# KiCad board choctopus44.kicad_pcb
title: Choctopus44; date: 2021-07-05; rev: 1.0 Prototype
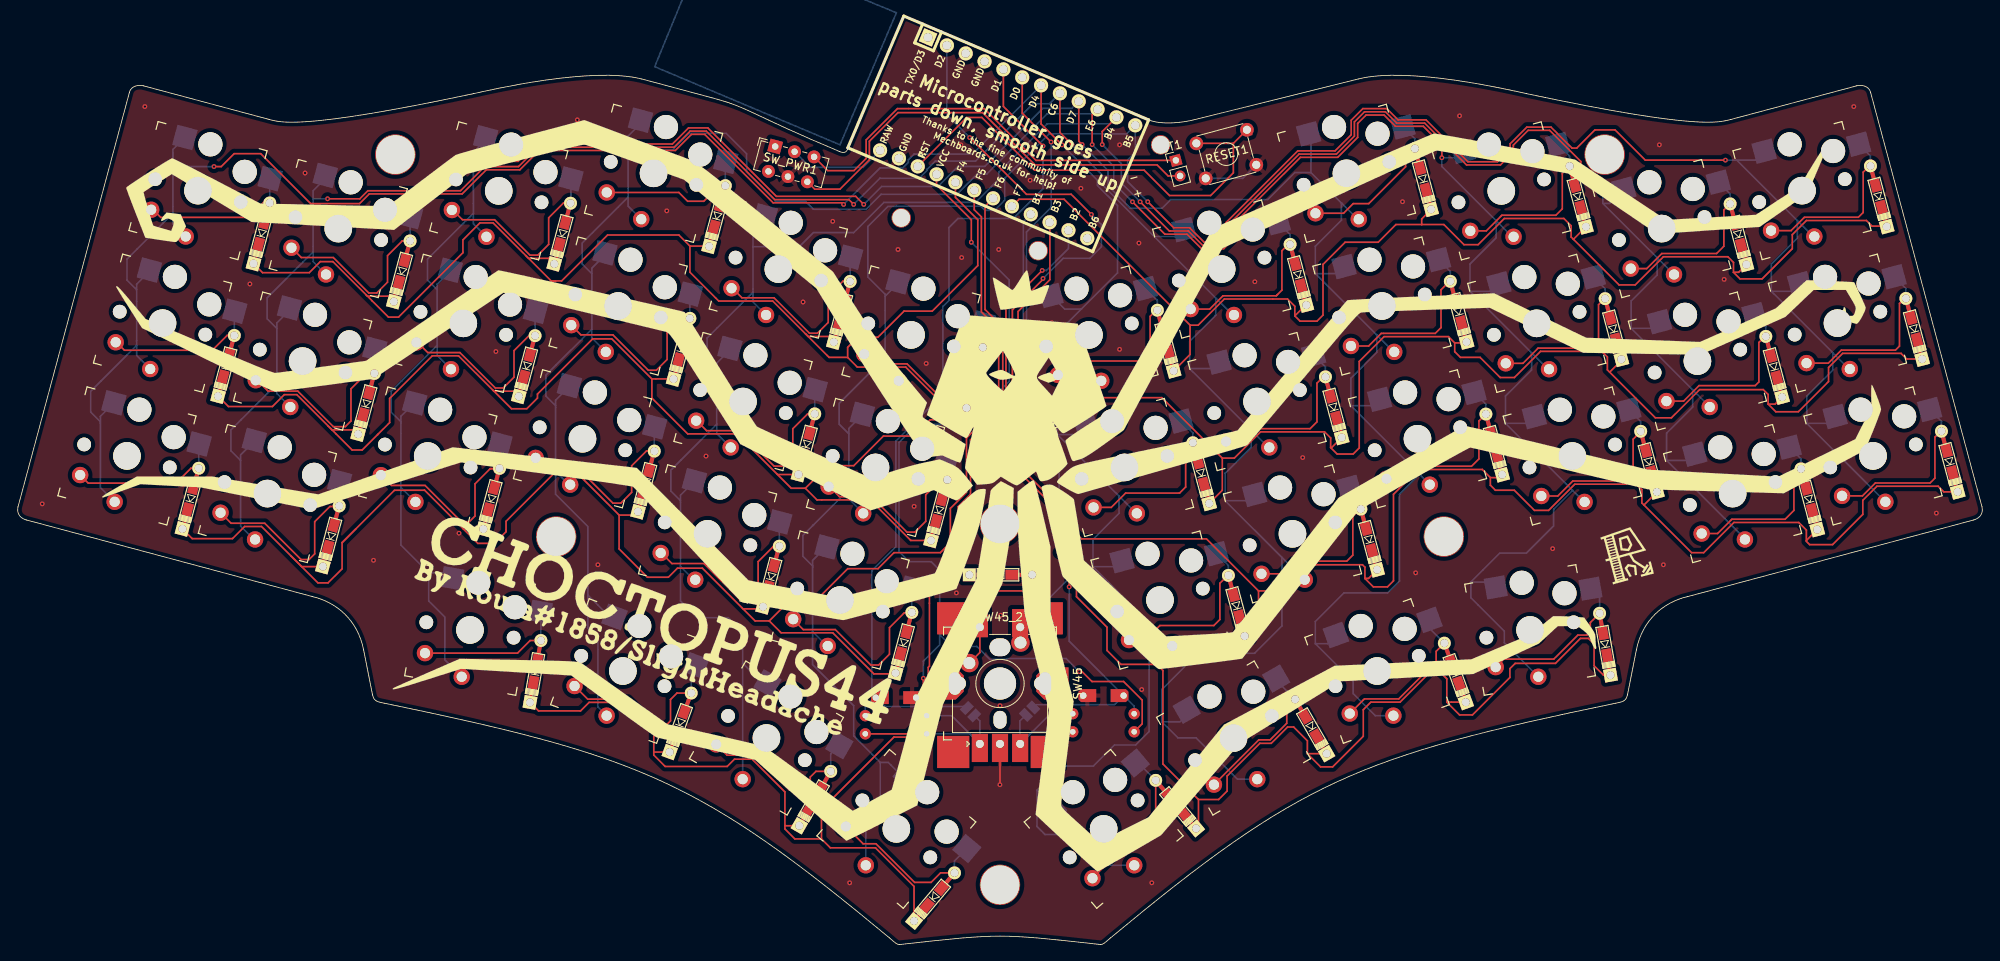
[diagram p0: board, top side]
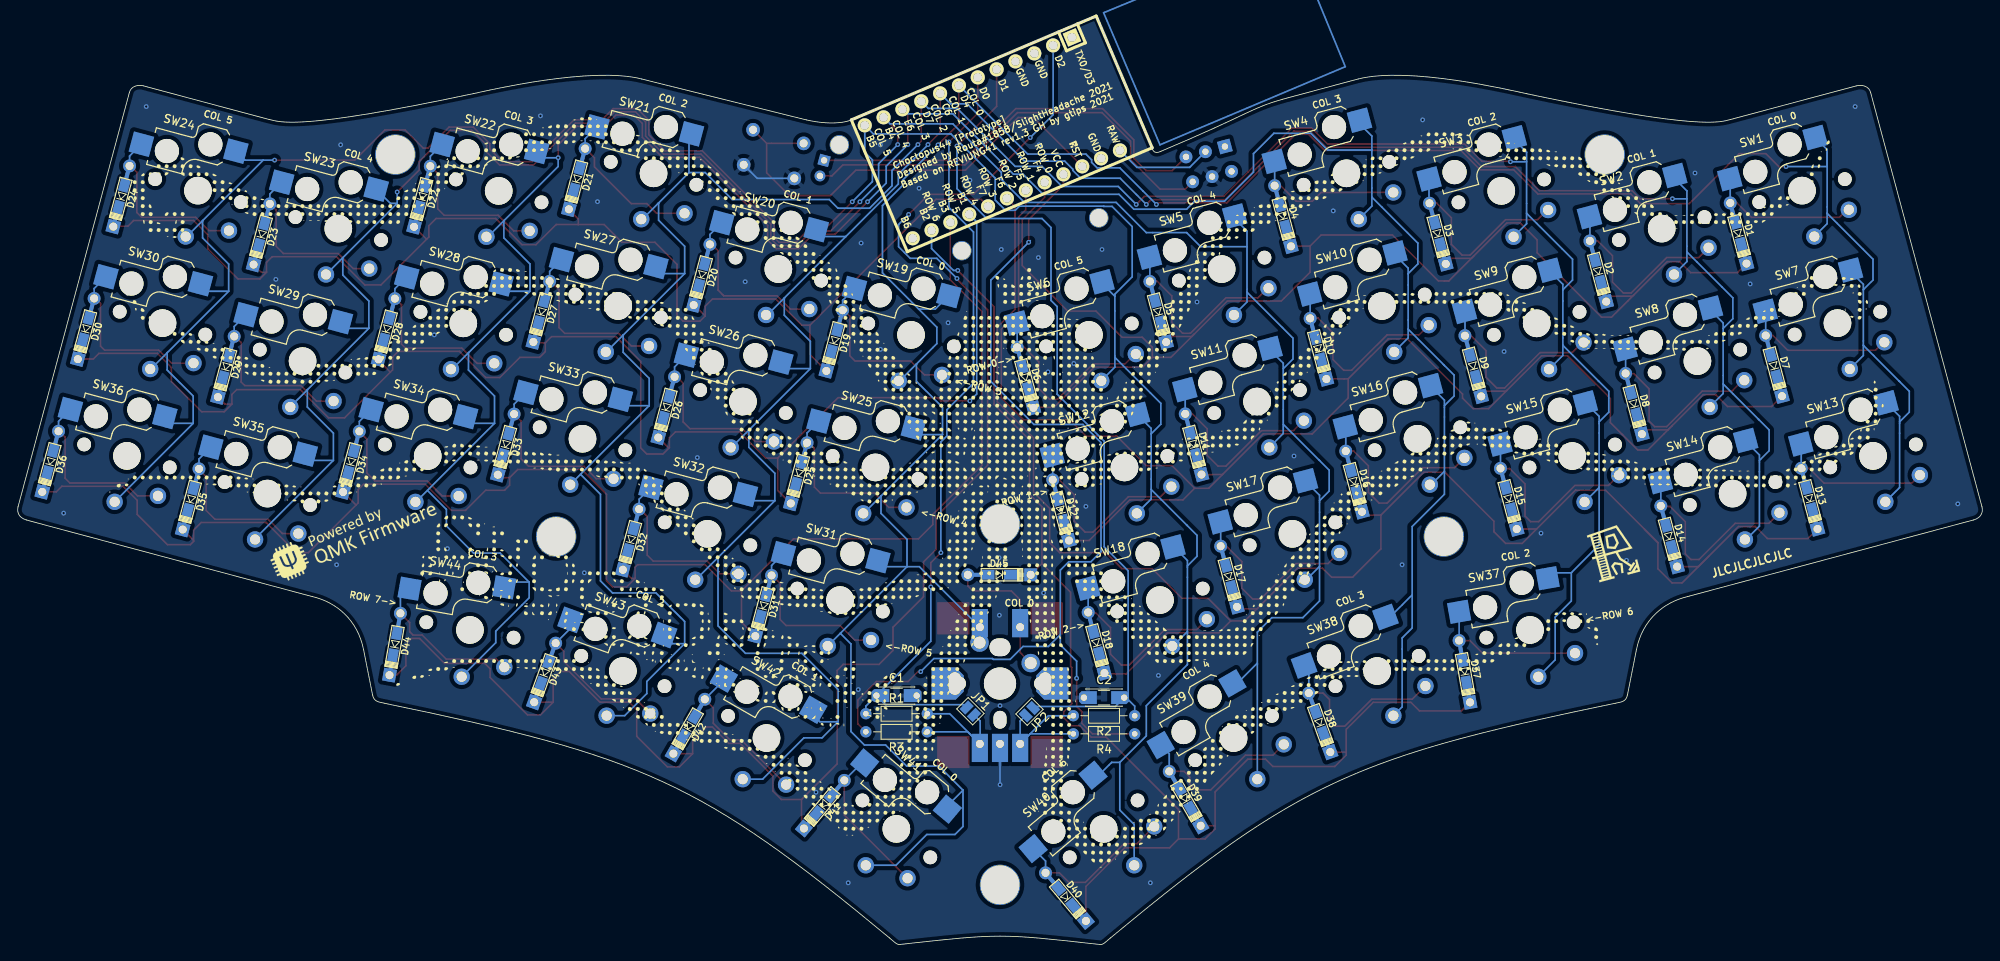
[diagram p1: board, bottom side, seen from below]

Outline 244.24 x 115.35 mm; copper layers: Top, Bottom. Coordinates in mm from the lower left corner of the outline.
Outline path: 1.28,52.77 36.8,43.25 ; 14.06,105.86 0.24,54.41 ; 31.41,102.51 15.79,106.69 ; 43.13,36.64 44.24,31.05 ; 77.66,107.54 87.03,105.02 ; 166.59,107.54 146.16,102.46 ; 201.11,36.64 200,31.05 ; 212.84,102.51 228.46,106.69 ; 230.18,105.86 244,54.41 ; 242.96,52.77 207.44,43.25

## Placement (name value [footprint] x y rotation side)
BT1  Battery_Cell  [PinHeader_1x02_P2.00mm_Vertical]  143.95 97.43 15 top
C1  C  [Dual-Hybrid-1206-C_Disc_D4.3mm_W1.9mm_P5.00mm]  137.46 30.96 180 bottom
C2  C  [Dual-Hybrid-1206-C_Disc_D4.3mm_W1.9mm_P5.00mm]  111.71 30.71 180 bottom
D1  1N4148W  [Diode-dual]  30.47 88.37 255 top
D2  1N4148W  [Diode-dual]  47.89 83.66 255 top
D3  1N4148W  [Diode-dual]  67.8 88.34 255 top
D4  1N4148W  [Diode-dual]  87.02 90.52 255 top
D5  1N4148W  [Diode-dual]  102.51 78.63 255 top
D6  1N4148W  [Diode-dual]  118.98 70.45 255 top
D7  1N4148W  [Diode-dual]  26.07 71.91 255 top
D8  1N4148W  [Diode-dual]  43.46 67.2 255 top
D9  1N4148W  [Diode-dual]  63.4 71.89 255 top
D10  1N4148W  [Diode-dual]  82.62 74.04 255 top
D11  1N4148W  [Diode-dual]  98.12 62.18 255 top
D12  1N4148W  [Diode-dual]  114.57 53.99 255 top
D13  1N4148W  [Diode-dual]  21.66 55.43 255 top
D14  1N4148W  [Diode-dual]  39.09 50.75 255 top
D15  1N4148W  [Diode-dual]  58.99 55.41 255 top
D16  1N4148W  [Diode-dual]  78.2 57.55 255 top
D17  1N4148W  [Diode-dual]  93.72 45.75 255 top
D18  1N4148W  [Diode-dual]  110.17 37.52 255 top
D19  1N4148W  [Diode-dual]  142.66 75.05 285 top
D20  1N4148W  [Diode-dual]  159.13 83.23 285 top
D21  1N4148W  [Diode-dual]  174.62 95.12 285 top
D22  1N4148W  [Diode-dual]  193.84 92.94 285 top
D23  1N4148W  [Diode-dual]  213.75 88.26 285 top
D24  1N4148W  [Diode-dual]  231.17 92.97 285 top
D25  1N4148W  [Diode-dual]  147.07 58.59 285 top
D26  1N4148W  [Diode-dual]  163.52 66.78 285 top
D27  1N4148W  [Diode-dual]  179.03 78.64 285 top
D28  1N4148W  [Diode-dual]  198.24 76.49 285 top
D29  1N4148W  [Diode-dual]  218.18 71.8 285 top
D30  1N4148W  [Diode-dual]  235.57 76.51 285 top
D31  1N4148W  [Diode-dual]  151.48 42.12 285 top
D32  1N4148W  [Diode-dual]  167.92 50.35 285 top
D33  1N4148W  [Diode-dual]  183.44 62.15 285 top
D34  1N4148W  [Diode-dual]  202.65 60.01 285 top
D35  1N4148W  [Diode-dual]  222.55 55.35 285 top
D36  1N4148W  [Diode-dual]  239.98 60.03 285 top
D37  1N4148W  [Diode-dual]  64.46 33.96 260 top
D38  1N4148W  [Diode-dual]  82.46 27.61 250 top
D39  1N4148W  [Diode-dual]  99.16 18.17 240 top
D40  1N4148W  [Diode-dual]  113.96 5.96 230 top
D41  1N4148W  [Diode-dual]  143.95 17.45 310 top
D42  1N4148W  [Diode-dual]  160.71 27.13 300 top
D43  1N4148W  [Diode-dual]  178.6 33.81 290 top
D44  1N4148W  [Diode-dual]  197.22 37.34 280 top
D45  1N4148W  [Diode-dual]  122.21 45.96 180 top
G***  LOGO  [choctopus205-v2]  120.71 53.21 0 top
G***#2  LOGO  [routa-logo-smallish]  199.96 48.46 15 top
G***#3  LOGO  [QMK-x4-ver1]  202.46 50.96 157 bottom
G***#4  LOGO  [routa-logo-smallish]  45.96 48.71 165 bottom
G***#5  LOGO  [choctopus205-v2-dots]  123.21 53.71 180 bottom
H1  H1  [HOLE]  47.07 98.15 355 top
H6  H6  [HOLE]  122.12 7.46 0 top
H6#2  H6  [HOLE]  122.12 52.28 0 top
H8  H8  [HOLE]  67.03 50.71 5 top
H8#2  H8  [HOLE]  177.21 50.71 5 top
H11  H11  [HOLE]  197.17 98.15 5 top
H12  H12  [HOLE_2.2mm]  109.86 90.29 0 top
H13  H13  [HOLE_2.2mm]  126.86 86.21 0 top
H14  H14  [HOLE_2.2mm]  142.06 99.36 0 top
JP1  SolderJumper_2_Open  [SolderJumper-2_P1.3mm_Open_Pad1.0x1.5mm]  125.79 29.02 225 bottom
JP2  SolderJumper_2_Open  [SolderJumper-2_P1.3mm_Open_Pad1.0x1.5mm]  118.46 28.96 315 bottom
R1  R  [R_Axial_DIN0204_L3.6mm_D1.6mm_P7.62mm_Horizontal]  138.77 28.71 180 bottom
R2  R  [R_Axial_DIN0204_L3.6mm_D1.6mm_P7.62mm_Horizontal]  105.4 28.46 0 bottom
R3  R  [R_Axial_DIN0204_L3.6mm_D1.6mm_P7.62mm_Horizontal]  131.15 26.46 0 bottom
R4  R  [R_Axial_DIN0204_L3.6mm_D1.6mm_P7.62mm_Horizontal]  105.4 26.21 0 bottom
RESET1  SW_PUSH  [SW_TH_Tactile_Omron_B3F-10xx]  146.49 99.54 15 top
SW1  SW_PUSH  [Kailh_socket_PG1350_optional]  22.57 93.67 345 top
SW2  SW_PUSH  [Kailh_socket_PG1350_optional]  39.99 88.96 345 top
SW3  SW_PUSH  [Kailh_socket_PG1350_optional]  59.9 93.64 345 top
SW4  SW_PUSH  [Kailh_socket_PG1350_optional]  79.12 95.82 345 top
SW5  SW_PUSH  [Kailh_socket_PG1350_optional]  94.61 83.93 345 top
SW6  SW_PUSH  [Kailh_socket_PG1350_optional]  111.08 75.75 345 top
SW7  SW_PUSH  [Kailh_socket_PG1350_optional]  18.17 77.21 345 top
SW8  SW_PUSH  [Kailh_socket_PG1350_optional]  35.56 72.5 345 top
SW9  SW_PUSH  [Kailh_socket_PG1350_optional]  55.5 77.19 345 top
SW10  SW_PUSH  [Kailh_socket_PG1350_optional]  74.72 79.34 345 top
SW11  SW_PUSH  [Kailh_socket_PG1350_optional]  90.22 67.48 345 top
SW12  SW_PUSH  [Kailh_socket_PG1350_optional]  106.67 59.29 345 top
SW13  SW_PUSH  [Kailh_socket_PG1350_optional]  13.76 60.73 345 top
SW14  SW_PUSH  [Kailh_socket_PG1350_optional]  31.19 56.05 345 top
SW15  SW_PUSH  [Kailh_socket_PG1350_optional]  51.09 60.71 345 top
SW16  SW_PUSH  [Kailh_socket_PG1350_optional]  70.3 62.85 345 top
SW17  SW_PUSH  [Kailh_socket_PG1350_optional]  85.82 51.05 345 top
SW18  SW_PUSH  [Kailh_socket_PG1350_optional]  102.27 42.82 345 top
SW19  SW_PUSH  [Kailh_socket_PG1350_optional]  133.16 75.75 15 top
SW20  SW_PUSH  [Kailh_socket_PG1350_optional]  149.63 83.93 15 top
SW21  SW_PUSH  [Kailh_socket_PG1350_optional]  165.12 95.82 15 top
SW22  SW_PUSH  [Kailh_socket_PG1350_optional]  184.34 93.64 15 top
SW23  SW_PUSH  [Kailh_socket_PG1350_optional]  204.25 88.96 15 top
SW24  SW_PUSH  [Kailh_socket_PG1350_optional]  221.67 93.67 15 top
SW25  SW_PUSH  [Kailh_socket_PG1350_optional]  137.57 59.29 15 top
SW26  SW_PUSH  [Kailh_socket_PG1350_optional]  154.02 67.48 15 top
SW27  SW_PUSH  [Kailh_socket_PG1350_optional]  169.53 79.34 15 top
SW28  SW_PUSH  [Kailh_socket_PG1350_optional]  188.74 77.19 15 top
SW29  SW_PUSH  [Kailh_socket_PG1350_optional]  208.68 72.5 15 top
SW30  SW_PUSH  [Kailh_socket_PG1350_optional]  226.07 77.21 15 top
SW31  SW_PUSH  [Kailh_socket_PG1350_optional]  141.98 42.82 15 top
SW32  SW_PUSH  [Kailh_socket_PG1350_optional]  158.42 51.05 15 top
SW33  SW_PUSH  [Kailh_socket_PG1350_optional]  173.94 62.85 15 top
SW34  SW_PUSH  [Kailh_socket_PG1350_optional]  193.15 60.71 15 top
SW35  SW_PUSH  [Kailh_socket_PG1350_optional]  213.05 56.05 15 top
SW36  SW_PUSH  [Kailh_socket_PG1350_optional]  230.48 60.73 15 top
SW37  SW_PUSH  [Kailh_socket_PG1350_optional]  56.33 39.11 350 top
SW38  SW_PUSH  [Kailh_socket_PG1350_optional]  75.31 34.01 340 top
SW39  SW_PUSH  [Kailh_socket_PG1350_optional]  93.13 25.69 330 top
SW40  SW_PUSH  [Kailh_socket_PG1350_optional#2]  109.26 14.41 320 top
SW41  SW_PUSH  [Kailh_socket_PG1350_optional#2]  134.99 14.41 40 top
SW42  SW_PUSH  [Kailh_socket_PG1350_optional]  151.1 25.69 30 top
SW43  SW_PUSH  [Kailh_socket_PG1350_optional]  168.93 34.01 20 top
SW44  SW_PUSH  [Kailh_socket_PG1350_optional]  187.91 39.11 10 top
SW45  Rotary_Encoder_Switch  [EC11 THD&SMD]  122.12 32.46 90 top
SW45_2  SW_PUSH  [SW_MX]  122.12 32.46 0 top
SW_PWR1  SW_DPST  [SW_E-Switch_EG1271_DPDT]  94.21 99.15 345 top
U1  ProMicro/Nice!Nano  [ArduinoProMicro]  123.07 100.23 337 bottom

## Library data of the parts
C1 C2 = -: Spice_Model: 100n; Spice_Netlist_Enabled: Y
R1-R4 = -: Spice_Model: 10k; Spice_Netlist_Enabled: Y

## Footprints (pads in the part's own frame, mm; a bottom-side part is the same pattern mirrored in y, then rotated)
ArduinoProMicro
  rect 1.753x1.753 hole 1.092: 1(-13.97,-7.62)
  round 1.753 hole 1.092: 2(-11.43,-7.62) 3(-8.89,-7.62) 4(-6.35,-7.62) 5(-3.81,-7.62) 6(-1.27,-7.62) 7(1.27,-7.62) 8(3.81,-7.62) 9(6.35,-7.62) 10(8.89,-7.62) 11(11.43,-7.62) 12(13.97,-7.62) 13(13.97,7.62) 14(11.43,7.62) 15(8.89,7.62) 16(6.35,7.62) 17(3.81,7.62) 18(1.27,7.62) 19(-1.27,7.62) 20(-3.81,7.62) 21(-6.35,7.62) 22(-8.89,7.62) 23(-11.43,7.62) 24(-13.97,7.62)
Diode-dual
  rect 1.6x1.2 smd: 1(1.4,0) 2(-1.4,0)
  rect 1.6x1.2 smd far side: 1(1.4,0) 2(-1.4,0)
  rect 2.9x0.5 smd: 1(2.5,0) 2(-2.5,0)
  rect 2.9x0.5 smd far side: 1(2.5,0) 2(-2.5,0)
  rect 1.6x1.6 hole 1: 1(3.9,0)
  round 1.6 hole 1: 2(-3.9,0)
Dual-Hybrid-1206-C_Disc_D4.3mm_W1.9mm_P5.00mm
  rrect 2.2x1.6 hole 0.8: 1(0,0) 2(5,0)
EC11 THD&SMD
  rect 4x4 smd: (-9,5.8) (-9,-5.8) (7.6,5.8) (7.6,-5.8)
  oval 2.2x1.6 hole 2.2x1.6 unplated: (-4.5,0)
  rrect 4x4 hole 2.8x1.5 unplated: (0,5.6) (0,-5.6)
  round 2.1 hole 2.1 unplated: (0,0)
  oval 2.2x2.6 hole 2.2x2.6 unplated: (4.5,0)
  rect 3.5x2 hole 1: A(-7.5,2.5) B(-7.5,-2.5) C(-7.5,0) S1(7,-2.5) S2(7,2.5)
HOLE
  round 5 hole 4.8 unplated: (0,0)
HOLE_2.2mm
  round 2.4 hole 2.2 unplated: (0,0)
Kailh_socket_PG1350_optional
  round 1.702 hole 1.702 unplated: (-5.5,0) (5.5,0)
  round 3 hole 3 unplated: (0,5.95) (5,3.75)
  round 3.429 hole 3.429 unplated: (0,0)
  rect 2.6x2.6 smd far side: 1(-3.275,5.95) 2(8.275,3.75)
  round 2.032 hole 1.27: 1(0,-5.9) 2(-5,-3.8)
Kailh_socket_PG1350_optional#2
  round 1.702 hole 1.702 unplated: (-5.5,0) (5.5,0)
  round 3 hole 3 unplated: (0,5.95) (5,3.75)
  round 3.429 hole 3.429 unplated: (0,0)
  rect 2.6x2.6 smd far side: 1(-3.275,5.95) 2(8.275,3.75)
  round 2.032 hole 1.27: 1(0,-5.9) 2(-5,-3.8)
PinHeader_1x02_P2.00mm_Vertical
  rect 1.35x1.35 hole 0.8: 1(0,0)
  oval 1.35x1.35 hole 0.8: 2(0,-2)
R_Axial_DIN0204_L3.6mm_D1.6mm_P7.62mm_Horizontal
  round 1.4 hole 0.7: 1(0,0)
  oval 1.4x1.4 hole 0.7: 2(7.62,0)
SolderJumper-2_P1.3mm_Open_Pad1.0x1.5mm
  rect 1x1.5 smd: 1(-0.65,0) 2(0.65,0)
SW_E-Switch_EG1271_DPDT
  round 1.6 hole 0.8: 1(2.5,0) 2(5,0) 3(2.5,-3.2) 4(5,-3.2) 6(0,-3.2)
  rect 1.6x1.6 hole 0.8: 5(0,0)
SW_MX
  round 1.702 hole 1.702 unplated: (-5.08,0) (5.08,0)
  round 3.988 hole 3.988 unplated: (0,0)
  round 2.286 hole 1.499: 1(2.54,5.08) 2(-3.81,2.54)
SW_TH_Tactile_Omron_B3F-10xx
  round 1.7 hole 1: 1(0,0) 2(0,-4.5) 3(6.5,0) 4(6.5,-4.5)

## Nets
GND: C1.2 C2.1 RESET1.2 RESET1.4 SW45.C SW_PWR1.3 U1.3 U1.4 U1.23
VCC: R3.2 R4.1 U1.21
col0: SW1.1 SW7.1 SW13.1 SW19.1 SW25.1 SW31.1 SW41.1 SW45.S1 SW45_2.1 U1.7
col1: SW2.1 SW8.1 SW14.1 SW20.1 SW26.1 SW32.1 SW42.1 U1.8
col2: SW3.1 SW9.1 SW15.1 SW21.1 SW27.1 SW33.1 SW37.1 SW43.1 U1.9
col3: SW4.1 SW10.1 SW16.1 SW22.1 SW28.1 SW34.1 SW38.1 SW44.1 U1.10
col4: SW5.1 SW11.1 SW17.1 SW23.1 SW29.1 SW35.1 SW39.1 U1.11
col5: SW6.1 SW12.1 SW18.1 SW24.1 SW30.1 SW36.1 SW40.1 U1.12
Enc1A: C2.2 JP2.1 R2.1 U1.5
Enc1B: C1.1 JP1.1 R1.1 U1.6
reset: RESET1.1 RESET1.3 U1.22
row0: D1.1 D2.1 D3.1 D4.1 D5.1 D6.1 U1.20
row1: D7.1 D8.1 D9.1 D10.1 D11.1 D12.1 U1.19
row2: D13.1 D14.1 D15.1 D16.1 D17.1 D18.1 U1.18
row3: D19.1 D20.1 D21.1 D22.1 D23.1 D24.1 U1.17
row4: D25.1 D26.1 D27.1 D28.1 D29.1 D30.1 U1.16
row5: D31.1 D32.1 D33.1 D34.1 D35.1 D36.1 U1.15
row6: D37.1 D38.1 D39.1 D40.1 D45.1 U1.14
row7: D41.1 D42.1 D43.1 D44.1 U1.2
Net-(BT1-Pad1): BT1.1 SW_PWR1.2
Net-(BT1-Pad2): BT1.2 SW_PWR1.4
Net-(D1-Pad2): D1.2 SW1.2
Net-(D2-Pad2): D2.2 SW2.2
Net-(D3-Pad2): D3.2 SW3.2
Net-(D4-Pad2): D4.2 SW4.2
Net-(D5-Pad2): D5.2 SW5.2
Net-(D6-Pad2): D6.2 SW6.2
Net-(D7-Pad2): D7.2 SW7.2
Net-(D8-Pad2): D8.2 SW8.2
Net-(D9-Pad2): D9.2 SW9.2
Net-(D10-Pad2): D10.2 SW10.2
Net-(D11-Pad2): D11.2 SW11.2
Net-(D12-Pad2): D12.2 SW12.2
Net-(D13-Pad2): D13.2 SW13.2
Net-(D14-Pad2): D14.2 SW14.2
Net-(D15-Pad2): D15.2 SW15.2
Net-(D16-Pad2): D16.2 SW16.2
Net-(D17-Pad2): D17.2 SW17.2
Net-(D18-Pad2): D18.2 SW18.2
Net-(D19-Pad2): D19.2 SW19.2
Net-(D20-Pad2): D20.2 SW20.2
Net-(D21-Pad2): D21.2 SW21.2
Net-(D22-Pad2): D22.2 SW22.2
Net-(D23-Pad2): D23.2 SW23.2
Net-(D24-Pad2): D24.2 SW24.2
Net-(D25-Pad2): D25.2 SW25.2
Net-(D26-Pad2): D26.2 SW26.2
Net-(D27-Pad2): D27.2 SW27.2
Net-(D28-Pad2): D28.2 SW28.2
Net-(D29-Pad2): D29.2 SW29.2
Net-(D30-Pad2): D30.2 SW30.2
Net-(D31-Pad2): D31.2 SW31.2
Net-(D32-Pad2): D32.2 SW32.2
Net-(D33-Pad2): D33.2 SW33.2
Net-(D34-Pad2): D34.2 SW34.2
Net-(D35-Pad2): D35.2 SW35.2
Net-(D36-Pad2): D36.2 SW36.2
Net-(D37-Pad2): D37.2 SW37.2
Net-(D38-Pad2): D38.2 SW38.2
Net-(D39-Pad2): D39.2 SW39.2
Net-(D40-Pad2): D40.2 SW40.2
Net-(D41-Pad2): D41.2 SW41.2
Net-(D42-Pad2): D42.2 SW42.2
Net-(D43-Pad2): D43.2 SW43.2
Net-(D44-Pad2): D44.2 SW44.2
Net-(D45-Pad2): D45.2 SW45.S2 SW45_2.2
Net-(JP1-Pad2): JP1.2 R1.2 R3.1 SW45.B
Net-(JP2-Pad2): JP2.2 R2.2 R4.2 SW45.A
Net-(SW_PWR1-Pad1): SW_PWR1.1 U1.24

Pads without a net: SW_PWR1 5 6; U1 1 13

## Via types
v1: diameter 0.6, hole 0.3, Top to Bottom, 77 vias

## Routing (per net, layer and track width the routed paths; a pad name or vN(x,y) marks a point on that pad's centre or on a via; arc(x,y) is an arc through that point)
GND: length 18.1
  Top w0.2: 122.12,24.6 SW45.C 122.12,19.96
  Bottom w0.2: 122.12,19.96 SW45.C 122.12,24.6 ; RESET1.2 152.25,95.2 RESET1.4 ; 109.43,96.98 109.73,97.28
  vias: v1(3.24,54.77) v1(15.98,104.11) v1(29.01,82.08) v1(35.86,95.86) v1(44.36,47.76) v1(54.97,51.13) v1(59.55,73.69) v1(69.66,102.46) v1(72.21,47.21) v1(80.76,91.16) v1(85.63,60.71) v1(97.67,79.84) v1(101.36,89.86) v1(102.46,33.46) v1(103.46,7.71) v1(109.46,86.36) v1(111.46,54.46) v1(112.96,72.21) v1(116.16,71.16) v1(116.71,43.71) v1(117.26,99.36) v1(117.36,85.36) v1(121.96,86.36) v1(122.2,40.94) v1(122.12,29.71) v1(122.11,19.89) v1(122.24,48.09) v1(125.86,94.96) v1(128.56,77.26) v1(132.16,93.96) v1(136.96,99.36) v1(136.96,73.96) v1(139.36,87.16) v1(139.71,31.71) v1(140.96,7.71) v1(144.96,18.96) v1(153.75,82.36) v1(159.69,60.52) v1(172.08,92.3) v1(173.71,46.21) v1(179.16,102.96) v1(190.71,49.21) v1(192.34,75.76) v1(203.96,99.36) v1(204.46,47.21) v1(212,82.65) v1(228.09,104.11) v1(238.34,53.62)
VCC: length 126.4
  Top w0.2: R3.2 139.77,27.46 139.77,30.4 137.46,32.71 133.53,32.71 132.31,33.94 v1(131.96,33.94) ; U1.21 114.25,94.35 114.27,94.35 118.56,90.06 v1(118.56,87.26) ; 112.71,33.21 v1(112.61,33.11) 112.61,29.61 111.96,28.96 111.96,27.53 110.64,26.21 R4.1
  Bottom w0.2: 118.36,87.46 123.26,82.56 123.26,69.99 117.91,64.64 111.84,64.64 109.59,62.39 109.59,48.84 110.84,47.59 113.59,47.59 114.64,46.54 114.64,38.54 ; v1(131.96,33.94) 130.34,35.56 123.06,35.56 122.96,35.46 120.86,35.46 119.26,37.06 116.11,37.06 114.64,38.54 ; 114.64,38.54 114.64,37.27 112.61,35.24 v1(112.61,33.11)
col0: length 364.6
  Top w0.2: SW45_2.1 124.66,38.93 124.9,39.18 ; U1.7 127.22,101.95 v1(129.81,99.36) ; v1(24.56,96.66) 25.46,96.66 27.06,98.26 30.36,98.26 36.56,92.06 42.63,92.06 43.83,93.26 55.36,93.26 58.36,96.26 62.53,96.26 64.93,98.66 81.83,98.66 83.83,100.66 85.46,100.66 93.96,92.16 102.51,92.16 v1(102.71,91.96)
  Bottom w0.2: 129.26,63.37 129.26,66.76 132.49,69.99 132.49,72.13 132.46,72.16 ; 129.26,63.37 132.12,63.37 132.87,64.12 ; 129.26,63.37 136.86,55.76 ; 127.72,79.77 128.47,80.52 ; 14.96,81.36 13.76,82.56 13.76,85.16 19.46,90.86 ; 14.96,81.36 14.96,82.05 16.64,83.72 ; 14.96,81.36 14.96,74.46 ; 132.46,72.16 134.7,69.93 ; 132.46,72.16 129.96,74.67 129.96,76.71 132.21,78.96 ; 10.56,70.06 10.46,69.96 ; 10.56,70.06 14.96,74.46 ; 10.56,70.06 9.26,68.76 9.26,66.16 10.46,64.96 ; 19.46,96.71 19.46,98.45 ; SW13.1 10.46,56.8 10.46,64.96 ; SW41.1 135.03,9.89 131.21,13.71 127.71,13.71 126.71,14.71 126.71,19.21 ; 19.46,96.66 19.46,90.86 ; 19.46,96.66 v1(24.56,96.66) ; 19.46,96.66 19.46,98.78 SW1.1 ; 14.96,74.46 14.96,73.2 SW7.1 ; SW19.1 130.15,78.96 132.21,78.96 ; 132.21,78.96 136.71,83.46 136.71,91.81 134.21,94.31 134.21,94.96 v1(129.81,99.36) ; SW13.1 10.46,65.65 10.46,64.96 ; 139.1,53.53 136.86,55.76 ; 136.86,55.76 136.89,55.73 136.89,53.59 133.66,50.36 133.66,46.97 ; SW45.S1 132.13,46.97 133.66,46.97 ; SW31.1 141.94,38.69 ; 141.94,38.69 133.66,46.97 ; 141.94,38.69 140.62,37.37 140.62,26.5 138.95,24.82 136.32,24.82 133.71,22.21 129.71,22.21 126.71,19.21 ; 104.34,93.59 v1(102.71,91.96) ; 104.34,93.59 104.35,93.6 ; 104.34,93.59 107.25,96.5 110.07,96.5 110.75,97.18 110.75,97.5 111.46,98.21 118.68,98.21 U1.7 ; 133.66,46.97 136.52,46.97 SW31.1 ; 19.46,90.86 19.46,89.56 SW1.1 ; 126.71,19.21 129.21,16.71
col1: length 317.2
  Top w0.2: U1.8 129.56,100.89 v1(131.06,99.39) ; v1(103.96,91.96) 103.36,92.56 94.16,92.56 85.66,101.06 83.66,101.06 81.66,99.06 64.76,99.06 62.36,96.66 58.16,96.66 55.16,93.66 43.66,93.66 42.66,92.66 v1(38.66,92.66)
  Bottom w0.2: 145.66,71.57 145.66,74.96 148.89,78.19 148.89,80.33 148.86,80.36 ; 145.66,71.57 148.52,71.57 149.27,72.32 ; 145.66,71.57 153.26,63.96 ; 150.06,55.17 150.06,58.56 153.29,61.79 153.29,63.93 153.26,63.96 ; 150.06,55.17 152.92,55.17 153.67,55.92 ; 150.06,55.17 157.11,48.11 ; 141.26,87.97 144.12,87.97 144.87,88.72 ; 141.26,87.97 148.86,80.36 ; 141.26,87.97 134.74,94.49 134.74,95.68 131.06,99.36 v1(131.06,99.39) ; 151.1,78.13 148.86,80.36 ; 153.26,63.96 155.5,61.73 ; 29.63,50.23 27.86,52 27.86,60.16 ; 32.36,76.56 32.36,69.66 ; 32.36,76.56 31.16,77.76 31.16,80.36 36.86,86.06 ; 32.36,76.56 32.36,77.25 34.04,78.92 ; 27.86,60.16 26.66,61.36 26.66,63.96 27.96,65.26 ; 27.86,60.16 27.86,60.85 29.54,62.52 ; 27.96,65.26 27.86,65.16 ; 27.96,65.26 32.36,69.66 ; 38.54,95.34 38.54,95.32 36.86,93.65 36.86,92.66 ; 142.21,27.71 144.46,27.71 145.71,28.96 ; 142.21,27.71 142.21,31.71 146.71,36.21 153.71,36.21 157.11,39.61 157.11,48.11 ; 142.21,27.71 144.21,25.71 146.46,25.71 151.59,20.58 SW42.1 ; 159.9,45.33 157.11,48.11 ; U1.8 128.27,104.46 126.21,104.46 119.08,97.33 114.08,97.33 113.09,96.34 113.09,96.19 112.1,95.21 107.21,95.21 v1(103.96,91.96) ; SW2.1 36.86,84.86 36.86,86.06 ; 36.86,92.66 36.86,86.06 ; 36.86,92.66 v1(38.66,92.66) ; 32.36,69.66 32.36,68.47 SW8.1
col2: length 338.9
  Top w0.2: v1(58.76,97.26) 58.81,97.31 62.31,97.31 64.46,99.46 81.46,99.46 83.46,101.46 85.86,101.46 94.36,92.96 104.21,92.96 v1(105.21,91.96) ; v1(132.31,99.39) 131.89,99.81 U1.9
  Bottom w0.2: 52.26,81.36 52.26,82.05 53.94,83.72 ; 52.26,81.36 52.26,74.46 ; 52.26,81.36 51.06,82.56 51.06,85.16 56.76,90.86 ; 47.86,70.06 47.76,69.96 ; 47.86,70.06 46.56,68.76 46.56,66.16 47.76,64.96 ; 47.86,70.06 52.26,74.46 ; 160.71,95.91 160.71,100.43 SW21.1 ; 160.71,95.91 164.61,92.01 ; 160.71,95.91 158.71,95.91 155.36,92.56 143.31,92.56 142.23,91.49 138.31,91.49 135.52,94.27 135.52,96.18 v1(132.31,99.39) ; 171.1,73.53 168.86,75.76 ; 168.86,75.76 168.89,75.73 168.89,73.59 165.66,70.36 165.66,66.97 ; 168.86,75.76 161.26,83.37 ; 174.19,58.44 171.71,55.96 171.71,45.21 170.21,43.71 164.81,43.71 161.26,40.16 161.26,37.41 ; 174.19,58.44 175.5,57.13 ; 174.19,58.44 165.66,66.97 ; 56.76,97.26 56.76,90.86 ; 56.76,97.26 56.76,98.45 58.44,100.12 58.44,100.14 ; 56.76,97.26 v1(58.76,97.26) ; 161.26,83.37 164.12,83.37 164.87,84.12 ; 161.26,83.37 161.26,86.76 164.49,89.99 164.49,92.13 164.46,92.16 164.61,92.01 ; 166.7,89.93 164.61,92.01 ; SW3.1 56.76,89.56 56.76,90.86 ; 165.66,66.97 168.52,66.97 169.27,67.72 ; 51.21,46.21 53.21,46.21 54.46,44.96 ; 51.21,46.21 47.76,49.66 47.76,56.8 ; 51.21,46.21 51.21,42.71 53.21,40.71 53.21,35.4 SW37.1 ; 161.26,37.41 162.74,37.41 SW43.1 ; 161.26,37.41 165.96,32.71 165.96,31.21 168.7,28.47 SW43.1 ; 47.76,64.96 47.76,65.65 49.44,67.32 ; 47.76,64.96 47.76,56.8 ; 52.26,74.46 52.26,73.21 SW9.1 ; 47.76,56.8 49.53,55.03 ; U1.9 131.02,103.88 127.43,103.88 120.24,96.68 116.91,96.68 114.41,94.19 107.44,94.19 v1(105.21,91.96)